# KiCad board accurate2_eval.kicad_pcb (continued)
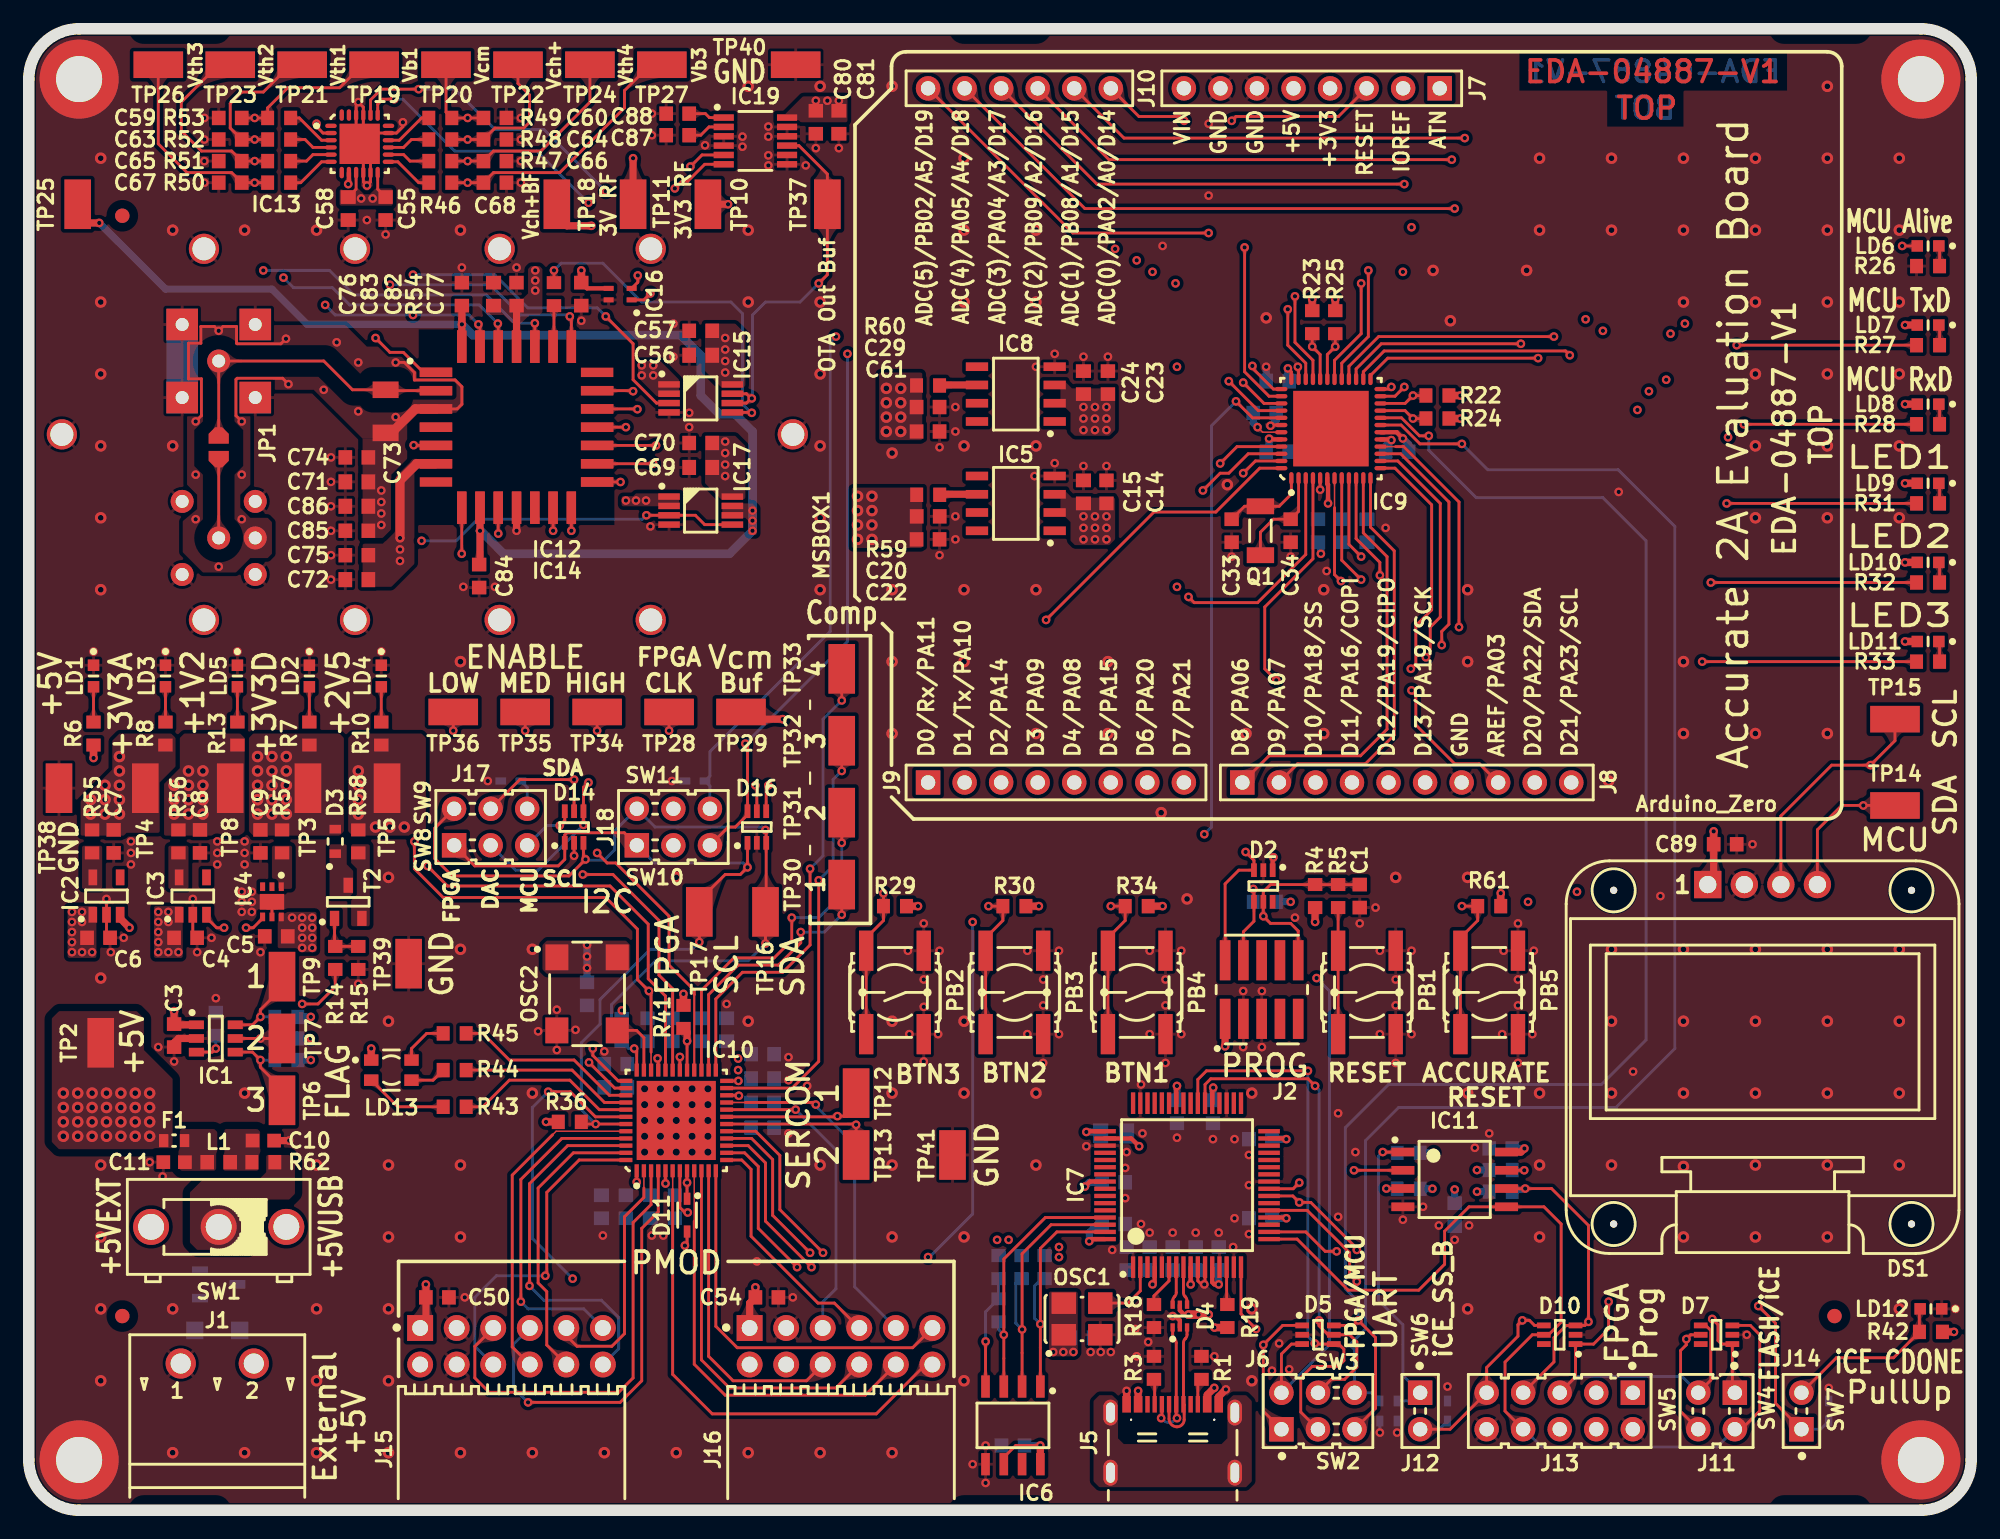
[diagram p0: board, top side]
## Library data of the parts (continued)
J6 J17 J18 = -: Datasheet: \\cern.ch\dfs\Applications\Altium\Datasheets\SAMTEC_HTSW-103-23-L-D.pdf; Author: CERN DEM JLC; Component Kind: Standard; Component Type: Standard; ComponentHeight: 8.38mm; CreateDate: 02/22/18 00:00:00; Database Table Name: Connectors; Family: Header 6; Footprint Library: SAMTEC THD; Footprint Path: PcbLib\SAMTEC THD.PcbLib; HelpURL: \\cern.ch\dfs\Applications\Altium\Datasheets\SAMTEC_HTSW-103-23-L-D.pdf; LatestRevisionDate: 02/22/18 00:00:00; Library Name: SAMTEC; Library Path: SchLib\Connectors.SchLib; Library Ref: Connector 6 Male; License: This work is licensed under the Creative Commons CC-BY-SA 4.0 License. To the extent that circuit schematics that use Licensed Material can be considered to be ‘Adapted Material’, then the copyright holder waives article 3.b of the license with respect to these schematics.; Manufacturer: SAMTEC; Manufacturer Part Number: HTSW-103-23-L-D; Mounted: Yes; Part Description: 6 Contacts, Pitch 2.54mm, Dual Row Through Mount Straight Header (Post Lead 5.84mm, Tail Lead 2.92mm, Insulator 2.54mm); Pin Count: 6; PressFit: No; SMD: No; Sense: No; Socket: No; Status: Preferred; Status Comment: High Temperature
J7 J9 = -: Datasheet: \\cern.ch\dfs\Applications\Altium\Datasheets\SAMTEC_SSW-108-01-G-S.pdf; Author: CERN DEM BR; Component Kind: Standard; Component Type: Standard; ComponentHeight: 8.51mm; CreateDate: 04/30/19 00:00:00; Database Table Name: Connectors; Family: Socket 8; Footprint Library: SAMTEC THD; Footprint Path: PcbLib\SAMTEC THD.PcbLib; HelpURL: \\cern.ch\dfs\Applications\Altium\Datasheets\SAMTEC_SSW-108-01-G-S.pdf; LatestRevisionDate: 04/30/19 00:00:00; Library Name: SAMTEC; Library Path: SchLib\Connectors.SchLib; Library Ref: Connector 8 Female; License: This work is licensed under the Creative Commons CC-BY-SA 4.0 License. To the extent that circuit schematics that use Licensed Material can be considered to be ‘Adapted Material’, then the copyright holder waives article 3.b of the license with respect to these schematics.; Manufacturer: SAMTEC; Manufacturer Part Number: SSW-108-01-G-S; Mounted: Yes; Part Description: 8 Contacts, Pitch 2.54mm, Single Row Through Mount Straight Socket (Lead Length 2.64mm); Pin Count: 8; PressFit: No; SMD: No; Sense: No; Socket: No; Status: None
J8 = -: Datasheet: \\cern.ch\dfs\Applications\Altium\Datasheets\SAMTEC_SSW-THD.pdf; Author: CERN DEM BC; Component Kind: Standard; Component Type: Standard; ComponentHeight: 8.51mm; CreateDate: 09/14/23 00:00:00; Database Table Name: Connectors; Family: Socket 10; Footprint Library: SAMTEC THD; Footprint Path: PcbLib\SAMTEC THD.PcbLib; Footprint Ref: SAMTEC_SSW-110-01-X-S; HelpURL: \\cern.ch\dfs\Applications\Altium\Datasheets\SAMTEC_SSW-THD.pdf; LatestRevisionDate: 09/14/23 00:00:00; Library Name: SAMTEC; Library Path: SchLib\Connectors.SchLib; Library Ref: Connector 10 Female; License: This work is licensed under the Creative Commons CC-BY-SA 4.0 License. To the extent that circuit schematics that use Licensed Material can be considered to be ‘Adapted Material’, then the copyright holder waives article 3.b of the license with respect to these schematics.; Manufacturer: SAMTEC; Manufacturer Part Number: SSW-110-01-G-S; Mounted: Yes; Part Description: 10 Contacts, Pitch 2.54mm, Single Row Through Mount Straight Socket (Lead Length 2.64mm); Pin Count: 10; PressFit: No; SMD: No; Sense: No; Socket: No; Status: None
J10 = -: Datasheet: \\cern.ch\dfs\Applications\Altium\Datasheets\SAMTEC_SSW-106-01-L-S.pdf; Author: CERN DEM BC; Component Kind: Standard; Component Type: Standard; ComponentHeight: 8.51mm; CreateDate: 09/29/21 00:00:00; Database Table Name: Connectors; Family: Socket 6; Footprint Library: SAMTEC THD; Footprint Path: PcbLib\SAMTEC THD.PcbLib; HelpURL: \\cern.ch\dfs\Applications\Altium\Datasheets\SAMTEC_SSW-106-01-L-S.pdf; LatestRevisionDate: 09/29/21 00:00:00; Library Name: SAMTEC; Library Path: SchLib\Connectors.SchLib; Library Ref: Connector 6 Female; License: This work is licensed under the Creative Commons CC-BY-SA 4.0 License. To the extent that circuit schematics that use Licensed Material can be considered to be ‘Adapted Material’, then the copyright holder waives article 3.b of the license with respect to these schematics.; Manufacturer: SAMTEC; Manufacturer Part Number: SSW-106-01-L-S; Mounted: Yes; Part Description: 6 Contacts, Pitch 2.54mm, Single Row Through Mount Straight Socket (Lead Length 2.64mm); Pin Count: 6; PressFit: No; SMD: No; Sense: No; Socket: No; Status: None
J11 = -: Datasheet: \\cern.ch\dfs\Applications\Altium\Datasheets\SAMTEC_HTSW-102-23-L-D.pdf; Author: CERN DEM JLC; Component Kind: Standard; Component Type: Standard; ComponentHeight: 8.38mm; CreateDate: 02/22/18 00:00:00; Database Table Name: Connectors; Family: Header 4; Footprint Library: SAMTEC THD; Footprint Path: PcbLib\SAMTEC THD.PcbLib; HelpURL: \\cern.ch\dfs\Applications\Altium\Datasheets\SAMTEC_HTSW-102-23-L-D.pdf; LatestRevisionDate: 02/22/18 00:00:00; Library Name: SAMTEC; Library Path: SchLib\Connectors.SchLib; Library Ref: Connector 4 Male; License: This work is licensed under the Creative Commons CC-BY-SA 4.0 License. To the extent that circuit schematics that use Licensed Material can be considered to be ‘Adapted Material’, then the copyright holder waives article 3.b of the license with respect to these schematics.; Manufacturer: SAMTEC; Manufacturer Part Number: HTSW-102-23-L-D; Mounted: Yes; Part Description: 4 Contacts, Pitch 2.54mm, Dual Row Through Mount Straight Header (Post Lead 5.84mm, Tail Lead 2.92mm, Insulator 2.54mm); Pin Count: 4; PressFit: No; SMD: No; Sense: No; Socket: No; Status: Preferred; Status Comment: High Temperature
J12 J14 = -: Datasheet: \\cern.ch\dfs\Applications\Altium\Datasheets\SAMTEC_HTSW-101-23-L-D.pdf; Author: CERN DEM JLC; Component Kind: Standard; Component Type: Standard; ComponentHeight: 8.38mm; CreateDate: 02/22/18 00:00:00; Database Table Name: Connectors; Family: Header 2; Footprint Library: SAMTEC THD; Footprint Path: PcbLib\SAMTEC THD.PcbLib; HelpURL: \\cern.ch\dfs\Applications\Altium\Datasheets\SAMTEC_HTSW-101-23-L-D.pdf; LatestRevisionDate: 12/07/23 00:00:00; Library Name: SAMTEC; Library Path: SchLib\Connectors.SchLib; Library Ref: Connector 2 Male; License: This work is licensed under the Creative Commons CC-BY-SA 4.0 License. To the extent that circuit schematics that use Licensed Material can be considered to be ‘Adapted Material’, then the copyright holder waives article 3.b of the license with respect to these schematics.; Manufacturer: SAMTEC; Manufacturer Part Number: HTSW-101-23-L-D; Mounted: Yes; Part Description: 2 Contacts, Pitch 2.54mm, Dual Row Through Mount Straight Header (Post Lead 5.84mm, Tail Lead 2.92mm, Insulator 2.54mm); Pin Count: 2; PressFit: No; SMD: No; Sense: No; Socket: No; Status: Preferred; Status Comment: High Temperature
J13 = -: Datasheet: \\cern.ch\dfs\Applications\Altium\Datasheets\SAMTEC_HTSW-105-23-L-D.pdf; Author: CERN DEM JLC; Component Kind: Standard; Component Type: Standard; ComponentHeight: 8.38mm; CreateDate: 02/13/18 00:00:00; Database Table Name: Connectors; Family: Header 10; Footprint Library: SAMTEC THD; Footprint Path: PcbLib\SAMTEC THD.PcbLib; HelpURL: \\cern.ch\dfs\Applications\Altium\Datasheets\SAMTEC_HTSW-105-23-L-D.pdf; LatestRevisionDate: 02/13/18 00:00:00; Library Name: SAMTEC; Library Path: SchLib\Connectors.SchLib; Library Ref: Connector 10 Male; License: This work is licensed under the Creative Commons CC-BY-SA 4.0 License. To the extent that circuit schematics that use Licensed Material can be considered to be ‘Adapted Material’, then the copyright holder waives article 3.b of the license with respect to these schematics.; Manufacturer: SAMTEC; Manufacturer Part Number: HTSW-105-23-L-D; Mounted: No; Part Description: 10 Contacts, Pitch 2.54mm, Dual Row Through Mount Straight Header (Post Lead 5.84mm, Tail Lead 2.92mm, Insulator 2.54mm); Pin Count: 10; PressFit: No; SMD: No; Sense: No; Socket: No; Status: Preferred; Status Comment: High Temperature
J15 = -: Datasheet: \\cern.ch\dfs\Applications\Altium\Datasheets\SAMTEC_SSW-106-02-L-D-RA.pdf; Author: CERN DEM JLC; Component Kind: Standard; Component Type: Standard; ComponentHeight: 4.95mm; CreateDate: 11/09/16 00:00:00; Database Table Name: Connectors; Family: Socket 12; Footprint Library: SAMTEC THD; Footprint Path: PcbLib\SAMTEC THD.PcbLib; HelpURL: \\cern.ch\dfs\Applications\Altium\Datasheets\SAMTEC_SSW-106-02-L-D-RA.pdf; LatestRevisionDate: 11/09/16 00:00:00; Library Name: SAMTEC; Library Path: SchLib\Connectors.SchLib; Library Ref: Connector 12 Female; License: This work is licensed under the Creative Commons CC-BY-SA 4.0 License. To the extent that circuit schematics that use Licensed Material can be considered to be ‘Adapted Material’, then the copyright holder waives article 3.b of the license with respect to these schematics.; Manufacturer: SAMTEC; Manufacturer Part Number: SSW-106-02-L-D-RA; Mounted: Yes; Part Description: 12 Contacts, Pitch 2.54mm, Dual Row Through Mount Right Angle Socket (Lead Length 2.54mm); Pin Count: 12; PressFit: No; SMD: No; Sense: No; Socket: No; Status: None
J16 = -: Datasheet: \\cern.ch\dfs\Applications\Altium\Datasheets\SAMTEC_SSW-106-02-L-D-RA.pdf; Author: CERN DEM JLC; Component Kind: Standard; Component Type: Standard; ComponentHeight: 4.95mm; CreateDate: 11/09/16 00:00:00; Database Table Name: Connectors; Family: Socket 12; Footprint Library: SAMTEC THD; Footprint Path: PcbLib\SAMTEC THD.PcbLib; HelpURL: \\cern.ch\dfs\Applications\Altium\Datasheets\SAMTEC_SSW-106-02-L-D-RA.pdf; LatestRevisionDate: 11/09/16 00:00:00; Library Name: SAMTEC; Library Path: SchLib\Connectors.SchLib; Library Ref: Connector 12 Female; License: This work is licensed under the Creative Commons CC-BY-SA 4.0 License. To the extent that circuit schematics that use Licensed Material can be considered to be ‘Adapted Material’, then the copyright holder waives article 3.b of the license with respect to these schematics.; Manufacturer: SAMTEC; Manufacturer Part Number: SSW-106-02-L-D-RA; Mounted: Yes; Part Description: 12 Contacts, Pitch 2.54mm, Dual Row Through Mount Right Angle Socket (Lead Length 2.54mm); Pin Count: 12; PressFit: No; SMD: No; Sense: No; Socket: No; Status: None; Field47: PMOD
JP1 = -: Datasheet: None; Author: CERN DEM JLC; Component Kind: Standard (No BOM); Component Type: Standard (No BOM); ComponentHeight: 0mm; CreateDate: 08/26/09 00:00:00; Database Table Name: Eletro-mechanical; Family: Switch; Footprint Library: Switches; Footprint Path: PcbLib\Switches.PcbLib; Footprint Ref: JUMPSMD0805_G50; HelpURL: None; LatestRevisionDate: 02/12/21 00:00:00; Library Name: Switches; Library Path: SchLib\Switches.SchLib; Library Ref: SMD Solder Jumper; License: This work is licensed under the Creative Commons CC-BY-SA 4.0 License. To the extent that circuit schematics that use Licensed Material can be considered to be ‘Adapted Material’, then the copyright holder waives article 3.b of the license with respect to these schematics.; Manufacturer: None; Manufacturer Part Number: None; Mounted: No; PackageDescription: 2 SMD Pads for Bound by Solder Drop - Equivalent Size 0805 - Gap 0.5mm; Part Description: 2 SMD Pads for Bound by Solder Drop - Equivalent Size 0805 - Gap 0.5mm; Part Number: JUMPSMD0805_G50; Pin Count: 2; PressFit: No; SMD: No; Sense: No; Socket: No; Status: None
L1 L2 = -: Datasheet: \\cern.ch\dfs\Applications\Altium\Datasheets\IND0603_MURATA_BLM18S.pdf; Author: CERN DEM MR; Case: 0603; Comment: 220R@100MHz; Component Kind: Standard; Component Type: Standard; ComponentHeight: 0.95mm; CreateDate: 01/08/16 00:00:00; Database Table Name: Inductors & Transformers; Footprint Library: Inductors SMD; Footprint Path: PcbLib\Inductors SMD.PcbLib; Footprint Ref: INDC1608X95N; HelpURL: \\cern.ch\dfs\Applications\Altium\Datasheets\IND0603_MURATA_BLM18S.pdf; LatestRevisionDate: 10/25/18 00:00:00; Library Name: Inductors SMD; Library Path: SchLib\Inductors & Transformers.SchLib; Library Ref: Ferrite Bead; License: This work is licensed under the Creative Commons CC-BY-SA 4.0 License. To the extent that circuit schematics that use Licensed Material can be considered to be ‘Adapted Material’, then the copyright holder waives article 3.b of the license with respect to these schematics.; Manufacturer: MURATA; Manufacturer Part Number: BLM18SG221TN1; Mounted: Yes; Part Description: SMD EMIFIL Suppression Chip Ferrite Bead; Pin Count: 2; Power: 2.5A; Resistance: 0.04R; SMD: Yes; Sense: No; Socket: No; Tolerance: ±25%; Val: 220R@100MHz
LD1-LD6 LD12 = -: Datasheet: \\cern.ch\dfs\Applications\Altium\Datasheets\LED_LITEON_LTST-C193KGKT-5A.pdf; Author: CERN DEM BC; Bonding: No; Case: 0603; Color: Green; Component Kind: Standard; Component Type: Standard; ComponentHeight: 0.35mm; CreateDate: 11/11/20 00:00:00; Database Table Name: ICs And Semiconductors; Footprint Library: ICs And Semiconductors SMD; Footprint Path: PcbLib\ICs And Semiconductors SMD.PcbLib; HelpURL: \\cern.ch\dfs\Applications\Altium\Datasheets\LED_LITEON_LTST-C193KGKT-5A.pdf; LatestRevisionDate: 11/11/20 00:00:00; Library Name: LEDs & Displays; Library Path: SchLib\LEDs & Displays.SchLib; Library Ref: LED Green 1C 2A; License: This work is licensed under the Creative Commons CC-BY-SA 4.0 License. To the extent that circuit schematics that use Licensed Material can be considered to be ‘Adapted Material’, then the copyright holder waives article 3.b of the license with respect to these schematics.; Manufacturer: LITE-ON SEMICONDUCTOR; Manufacturer Part Number: LTST-C193KGKT-5A; Mounted: Yes; PackageDescription: SMD AlInGaP Green LED, Lens Water Clear, 2-Leads, Body 1.6x0.8mm; Part Description: Extra Thin SMD Chip LED, Ultra Bright AlInGaP Green, Lens Water Clear; Pin Count: 2; PressFit: No; SMD: Yes; Sense: No; Socket: No
LD7-LD11 = -: Datasheet: \\cern.ch\dfs\Applications\Altium\Datasheets\LED_LITEON_LTST-C193KSKT-5A.pdf; Author: CERN DEM BC; Bonding: No; Case: 0603; Color: Yellow; Component Kind: Standard; Component Type: Standard; ComponentHeight: 0.35mm; CreateDate: 11/11/20 00:00:00; Database Table Name: ICs And Semiconductors; Footprint Library: ICs And Semiconductors SMD; Footprint Path: PcbLib\ICs And Semiconductors SMD.PcbLib; HelpURL: \\cern.ch\dfs\Applications\Altium\Datasheets\LED_LITEON_LTST-C193KSKT-5A.pdf; LatestRevisionDate: 11/11/20 00:00:00; Library Name: LEDs & Displays; Library Path: SchLib\LEDs & Displays.SchLib; Library Ref: LED Yellow 1C 2A; License: This work is licensed under the Creative Commons CC-BY-SA 4.0 License. To the extent that circuit schematics that use Licensed Material can be considered to be ‘Adapted Material’, then the copyright holder waives article 3.b of the license with respect to these schematics.; Manufacturer: LITE-ON SEMICONDUCTOR; Manufacturer Part Number: LTST-C193KSKT-5A; Mounted: Yes; PackageDescription: SMD AlInGaP Yellow LED, Lens Water Clear, 2-Leads, Body 1.6x0.8mm; Part Description: Extra Thin SMD Chip LED, Ultra Bright AlInGaP Yellow, Lens Water Clear; Pin Count: 2; PressFit: No; SMD: Yes; Sense: No; Socket: No
LD13 = -: Datasheet: \\cern.ch\dfs\Applications\Altium\Datasheets\LED_CREE_CLV1L-FKB-CJ1N1E1BB7B3B3.pdf; Author: CERN DEM HF; Bonding: No; Case: PLCC-4; Color: Red/Green/Blue; Component Kind: Standard; Component Type: Standard; ComponentHeight: 2.1mm; CreateDate: 01/09/24 00:00:00; Database Table Name: ICs And Semiconductors; Footprint Library: ICs And Semiconductors SMD; Footprint Path: PcbLib\ICs And Semiconductors SMD.PcbLib; Footprint Ref: LED_CREE_CLV1L-FKB; HelpURL: \\cern.ch\dfs\Applications\Altium\Datasheets\LED_CREE_CLV1L-FKB-CJ1N1E1BB7B3B3.pdf; LatestRevisionDate: 01/09/24 00:00:00; Library Name: LEDs & Displays; Library Path: SchLib\LEDs & Displays.SchLib; Library Ref: LED Red-Green-Blue 1AC_2CR_3CG_4CB; License: This work is licensed under the Creative Commons CC-BY-SA 4.0 License. To the extent that circuit schematics that use Licensed Material can be considered to be ‘Adapted Material’, then the copyright holder waives article 3.b of the license with respect to these schematics.; Manufacturer: CREE; Manufacturer Part Number: CLV1L-FKB-CJ1N1E1BB7B3B3; Mounted: Yes; PackageDescription: RGB LEDS, Body 3.2mm x 2.8mm x 2.1mm 4-PLCC; Part Description: RGB LED Indication - Discrete 2V Red, 3.1V Green, 3.1V Blue; Pin Count: 4; PressFit: No; SMD: Yes; Sense: No; Socket: No
MSBOX1 = -: Datasheet: \\cern.ch\dfs\Applications\Altium\Datasheets\MSBOX_PERANCEA_PFL2T.pdf; Author: CERN DEM JLC; Component Kind: Standard; Component Type: Standard; ComponentHeight: 16mm; CreateDate: 11/13/08 00:00:00; Database Table Name: Eletro-mechanical; Footprint Library: Metal Screening Box; Footprint Path: PcbLib\Metal Screening Box.PcbLib; Footprint Ref: MSBOX_PERANCEA_PFL2T; HelpURL: \\cern.ch\dfs\Applications\Altium\Datasheets\MSBOX_PERANCEA_PFL2T.pdf; LatestRevisionDate: 11/13/08 00:00:00; Library Name: Metal Screening Box; Library Path: SchLib\Metal Screening Box.SchLib; Library Ref: Metal Screening Box - 10 pins; License: This work is licensed under the Creative Commons CC-BY-SA 4.0 License. To the extent that circuit schematics that use Licensed Material can be considered to be ‘Adapted Material’, then the copyright holder waives article 3.b of the license with respect to these schematics.; Manufacturer: PERANCEA; Manufacturer Part Number: PFL2T; Mounted: No; PackageDescription: Metal Screening Box, Internal dimensions L50 x W25 x H15mm, Overall Size 55x30x16mm; Part Description: Metal Screening Box, Internal dimensions L50 x W25 x H15mm, Overall Size 55x30x16mm (No 10 pins); Part Number: MSBOX_PERANCEA_PFL2T; Pin Count: 10; PressFit: No; SMD: No; Sense: No; Socket: No; Status: None
OSC1 = -: Datasheet: \\cern.ch\dfs\Applications\Altium\Datasheets\OSC_ABRACON_ASFL1.pdf; Author: CERN DEM BC; Bonding: No; Comment: 12MHz; Component Kind: Standard; Component Type: Standard; ComponentHeight: 1.3mm; CreateDate: 06/25/20 00:00:00; Database Table Name: ICs And Semiconductors; Footprint Library: ICs And Semiconductors SMD; Footprint Path: PcbLib\ICs And Semiconductors SMD.PcbLib; Footprint Ref: OSC_ABRACON_ASFL1; HelpURL: \\cern.ch\dfs\Applications\Altium\Datasheets\OSC_ABRACON_ASFL1.pdf; LatestRevisionDate: 06/25/20 00:00:00; Library Name: Crystals & Oscillators; Library Path: SchLib\Crystals & Oscillators.SchLib; Library Ref: Oscillator 1OE 2GND 3OUT 4VDD; License: This work is licensed under the Creative Commons CC-BY-SA 4.0 License. To the extent that circuit schematics that use Licensed Material can be considered to be ‘Adapted Material’, then the copyright holder waives article 3.b of the license with respect to these schematics.; Manufacturer: ABRACON; Manufacturer Part Number: ASFL1-12.000MHZ-EC; Mounted: Yes; PackageDescription: SMD Oscillator, Side Convave; 4 pins, 5.00mm x 3.20mm, ASFL1 Series; Part Description: 3.3V, Stability: ±50ppm, 15pF, -20 to 70°C Tri-State HCMOS Surface Mount Oscillator, ASFL1 Series; Pin Count: 4; PressFit: No; SMD: Yes; Sense: No; Socket: No; Val: 12MHz
OSC2 = -: Datasheet: \\cern.ch\dfs\Applications\Altium\Datasheets\OSC_IQD_LFSPXO022731.pdf; Author: CERN DEM BC; Bonding: No; Comment: 100MHz; Component Kind: Standard; Component Type: Standard; ComponentHeight: 1.4mm; CreateDate: 10/11/19 00:00:00; Database Table Name: ICs And Semiconductors; Footprint Library: ICs And Semiconductors SMD; Footprint Path: PcbLib\ICs And Semiconductors SMD.PcbLib; Footprint Ref: OSC_IQD_CFPS-73; HelpURL: \\cern.ch\dfs\Applications\Altium\Datasheets\OSC_IQD_LFSPXO022731.pdf; LatestRevisionDate: 10/11/19 00:00:00; Library Name: Crystals & Oscillators; Library Path: SchLib\Crystals & Oscillators.SchLib; Library Ref: Oscillator 1E 2GND 3OUT 4Vs; License: This work is licensed under the Creative Commons CC-BY-SA 4.0 License. To the extent that circuit schematics that use Licensed Material can be considered to be ‘Adapted Material’, then the copyright holder waives article 3.b of the license with respect to these schematics.; Manufacturer: IQD FREQUENCY PRODUCTS; Manufacturer Part Number: LFSPXO022731; Mounted: Yes; PackageDescription: SMD Oscillator, Side Concave, 5.08mm Pitch, 4 Pins, 5.00mm L X 7.00mm W X 1.40mm H, CFPS-73 Series; Part Description: 3.3V, ±50ppm, 15pF, -40..85°C, HCMOS Surface Mount Clock Oscillator (CFPS-73 Series); Pin Count: 4; PressFit: No; SMD: Yes; Sense: No; Socket: No; Val: 100MHz
PB1-PB5 = -: Datasheet: \\cern.ch\dfs\Applications\Altium\Datasheets\PB_C&K_KSC321JLFS.pdf; Author: CERN DEM MR; Component Kind: Standard; Component Type: Standard; ComponentHeight: 3.47mm; CreateDate: 07/05/19 00:00:00; Database Table Name: Eletro-mechanical; Family: Push Button; Footprint Library: Switches; Footprint Path: PcbLib\Switches.PcbLib; Footprint Ref: PB_C&K_KSC321J; HelpURL: \\cern.ch\dfs\Applications\Altium\Datasheets\PB_C&K_KSC321JLFS.pdf; LatestRevisionDate: 07/05/19 00:00:00; Library Name: Switches; Library Path: SchLib\Switches.SchLib; Library Ref: PB SPST 12NO-34NO; License: This work is licensed under the Creative Commons CC-BY-SA 4.0 License. To the extent that circuit schematics that use Licensed Material can be considered to be ‘Adapted Material’, then the copyright holder waives article 3.b of the license with respect to these schematics.; Manufacturer: C&K; Manufacturer Part Number: KSC321JLFS; Mounted: Yes; PackageDescription: Body 6.2x6.2mm, Surface Mount Sealed Tact Momentary Pushbutton Switch, C&K KSC3 Series; Part Description: 32VDC 50mA SPST-NO Surface Mount Sealed Tact Momentary Pushbutton Switch, 2 Newtons Force; Pin Count: 4; PressFit: No; SMD: Yes; Sense: No; Socket: No; Status: None
Q1 = -: Datasheet: \\cern.ch\dfs\Applications\Altium\Datasheets\XTAL_ABRACON_ABS09.pdf; Author: CERN DEM JLC; Bonding: No; Comment: 32.768KHZ; Component Kind: Standard; Component Type: Standard; ComponentHeight: 0.9mm; CreateDate: 10/16/14 00:00:00; Database Table Name: ICs And Semiconductors; Footprint Library: ICs And Semiconductors SMD; Footprint Path: PcbLib\ICs And Semiconductors SMD.PcbLib; Footprint Ref: XTAL_ABRACON_ABS09; HelpURL: \\cern.ch\dfs\Applications\Altium\Datasheets\XTAL_ABRACON_ABS09.pdf; LatestRevisionDate: 10/16/14 00:00:00; Library Name: Crystals & Oscillators; Library Path: SchLib\Crystals & Oscillators.SchLib; Library Ref: Quartz Crystal; License: This work is licensed under the Creative Commons CC-BY-SA 4.0 License. To the extent that circuit schematics that use Licensed Material can be considered to be ‘Adapted Material’, then the copyright holder waives article 3.b of the license with respect to these schematics.; Manufacturer: ABRACON; Manufacturer Part Number: ABS09-32.768KHZ-T; Mounted: Yes; PackageDescription: 2 Pins, 4.1x1.5mm, SMD Low Profile Crystal, ABS09 Serie; Part Description: Tolerance: ±20ppm, Stability: ±5ppm, -40°C to +85°C, 12.5pF, SMD Low Profile Crystal, ABS09 Series; Pin Count: 2; PressFit: No; SMD: Yes; Sense: No; Socket: No; Val: 32.768KHZ
R1 R3 = -: Datasheet: \\cern.ch\dfs\Applications\Altium\Datasheets\R0603_NIC_NRC.pdf; Author: CERN DEM JLC; Case: 0603; Comment: 5k1; Component Kind: Standard; Component Type: Standard; CreateDate: 12/03/07 00:00:00; Database Table Name: Resistors; Footprint Library: Resistors SMD; Footprint Path: PcbLib\Resistors SMD.PcbLib; Footprint Ref: RESC1608X55N; HelpURL: \\cern.ch\dfs\Applications\Altium\Datasheets\R0603_NIC_NRC.pdf; LatestRevisionDate: 03/13/08 00:00:00; Library Name: Resistors SMD; Library Path: SchLib\Resistors.SchLib; Library Ref: Resistor - 1%; License: This work is licensed under the Creative Commons CC-BY-SA 4.0 License. To the extent that circuit schematics that use Licensed Material can be considered to be ‘Adapted Material’, then the copyright holder waives article 3.b of the license with respect to these schematics.; Manufacturer: GENERIC; Manufacturer1 ComponentHeight: 0.55mm; Manufacturer1 Example: NIC COMPONENT; Manufacturer1 Part Number: NRC06F5101TRF; Mounted: Yes; Part Description: General Purpose Thick Film Chip Resistor; Pin Count: 2; Power: 0.1W; PressFit: No; SMD: Yes; Sense: No; Socket: No; Status: Preferred; TC: ±100ppm/°C; Tolerance: ±1%; Val: 5k1
